# Allegro board C000PD020-3399PRO-DMEB-A-A01.brd (continued)
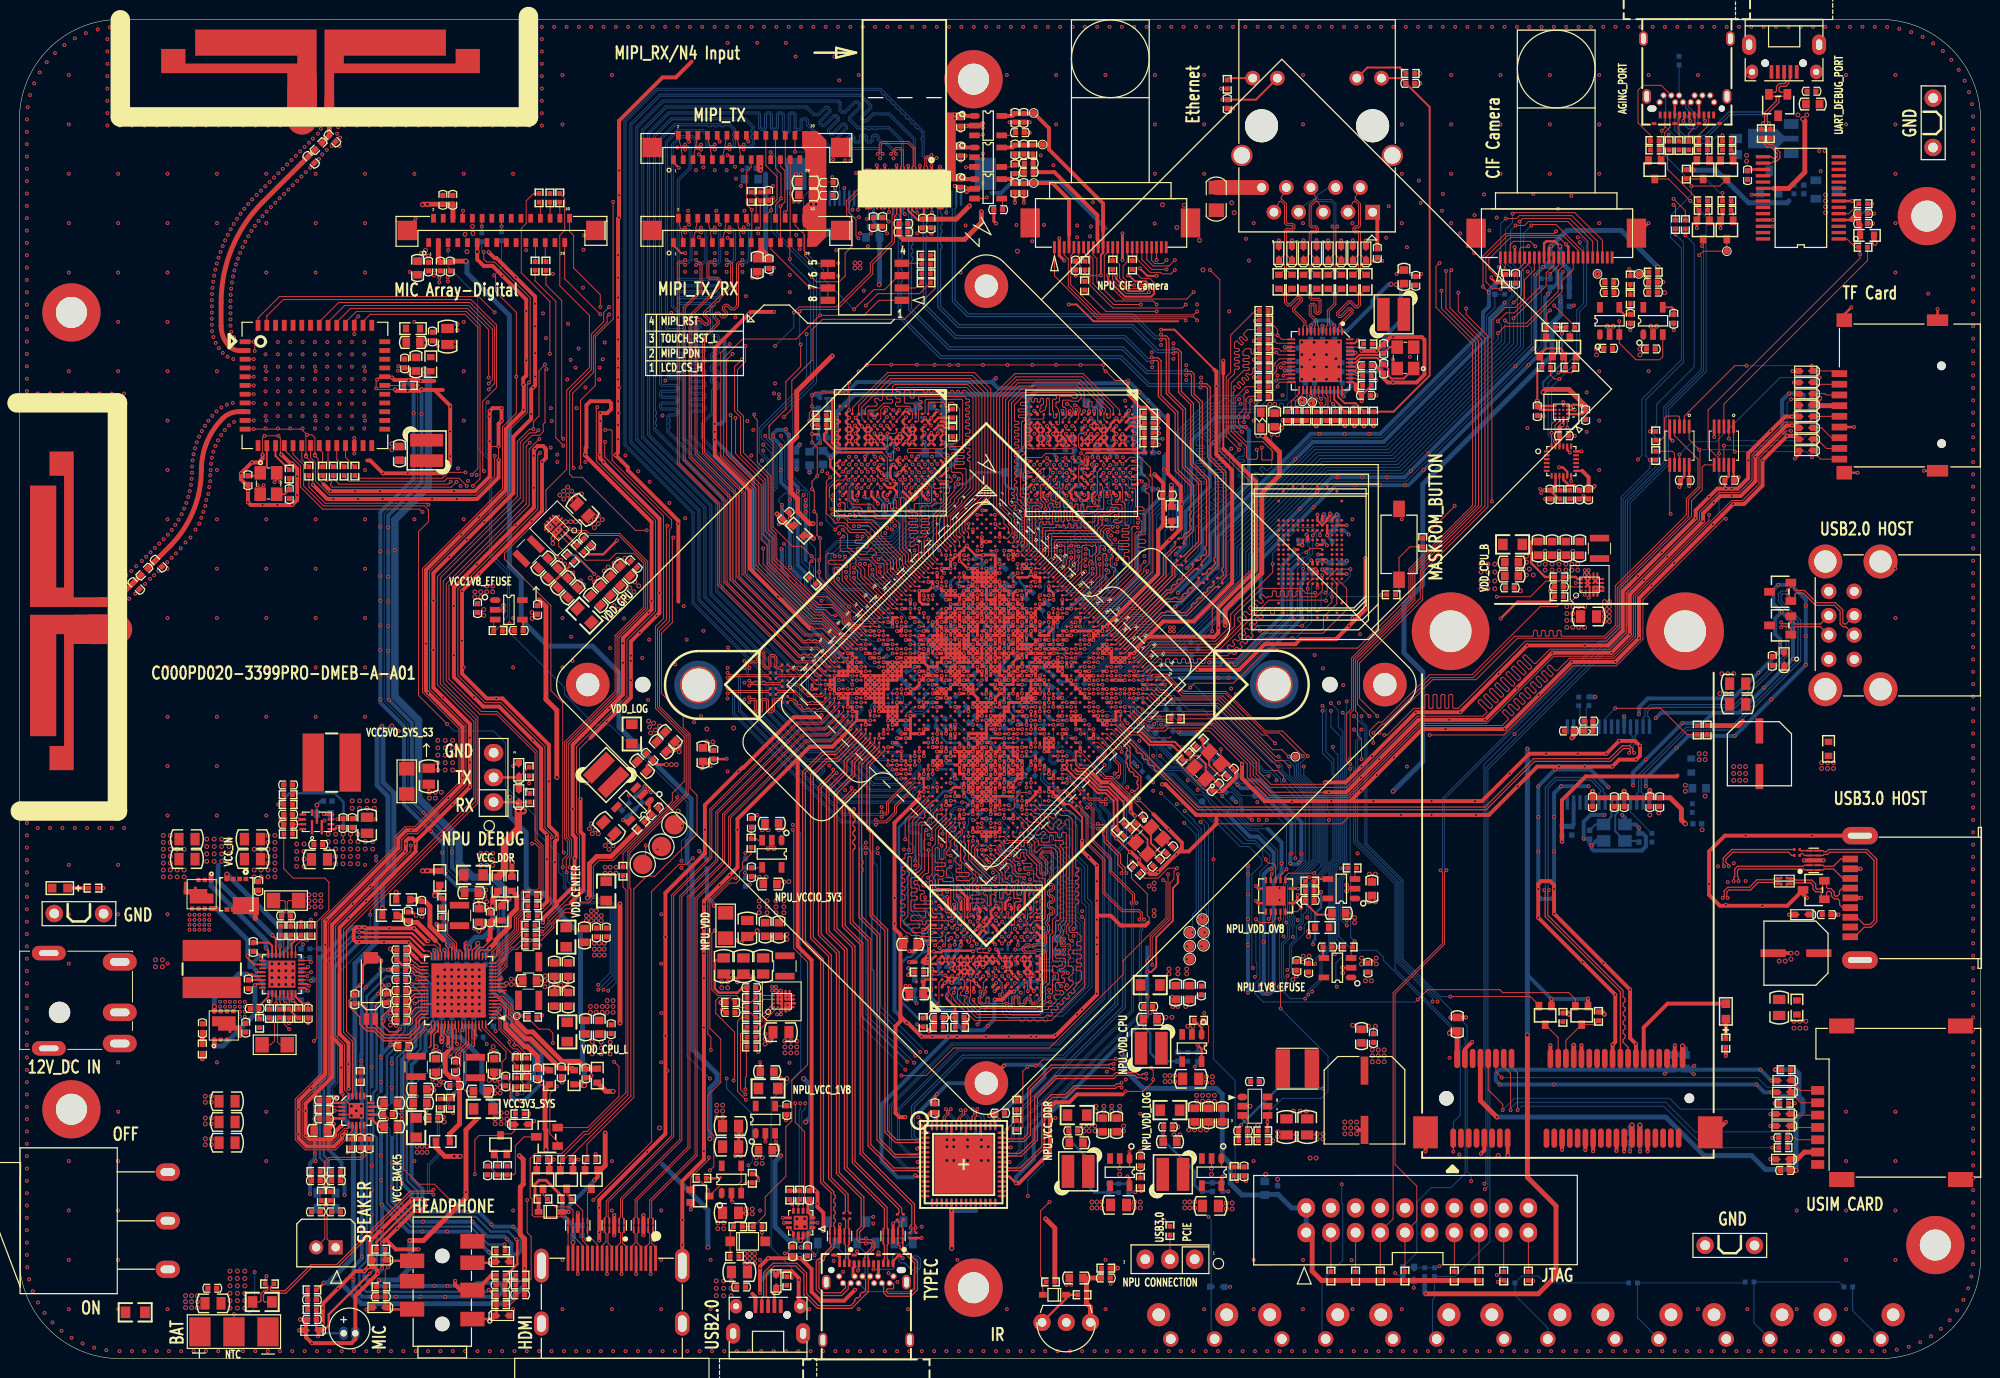
[diagram p0: board, top side]
## Routing (per net, layer and track width the routed paths; a pad name or vN(x,y) marks a point on that pad's centre or on a via; arc(x,y) is an arc through that point) (continued)
EDP_TX2N: length 66.6
  TOP w0.127: C1710.2 122.24,80.53 123.34,81.63 123.34,90.9 121.72,92.52 121.72,98.44 120.88,99.27 120.88,101.3 120.59,101.59 120.18,101.59 v1(120.07,101.7)
  BOTTOM w0.127: v1(120.07,101.7) 120,101.64 116.08,101.64 113.61,104.1 95.73,104.1 91.78,108.05 91.78,112.9 91.85,112.98 91.92,113.05 91.92,113.3 91.85,113.37 91.78,113.45 91.78,113.7 91.85,113.77 91.92,113.85 91.92,114.1 91.85,114.17 91.78,114.24 91.78,114.5 91.85,114.57 91.92,114.64 91.92,114.9 91.85,114.97 91.78,115.04 91.78,115.3 91.85,115.37 91.92,115.44 91.92,115.69 91.85,115.77 91.78,115.84 91.78,116.09 91.85,116.17 91.92,116.24 91.92,116.49 91.85,116.56 91.78,116.64 91.78,116.89 91.85,116.96 91.92,117.04 91.92,117.29 91.85,117.36 91.78,117.43 91.78,118.34 91.89,118.45 J5000.11
EDP_TX2P: length 66
  TOP w0.127: C1709.2 122.04,80.72 122.22,80.9 122.22,81.09 122.4,81.27 122.59,81.27 123.06,81.74 123.06,81.97 122.94,82.1 122.94,82.36 123.06,82.48 123.06,90.78 121.44,92.41 121.44,98.32 120.6,99.16 120.6,101.19 120.47,101.31 120.18,101.31 v1(120.07,101.2)
  BOTTOM w0.127: v1(120.07,101.2) 120.07,101.23 119.94,101.36 115.96,101.36 113.5,103.82 95.62,103.82 91.5,107.94 91.5,118.34 91.39,118.45 J5000.12
EDP_TX3N: length 69.3
  TOP w0.127: v1(121.59,100.44) 121.72,100.32 122.16,100.32 122.53,99.95 122.53,92.86 124.16,91.23 124.16,80.51 123.77,80.12 C1712.2
  BOTTOM w0.127: J5000.14 90.39,118.45 90.28,118.34 90.28,117.82 90.7,117.4 90.7,117 90.86,116.85 90.86,116.6 90.7,116.45 90.7,116.19 90.86,116.04 90.86,115.78 90.7,115.63 90.7,115.38 90.86,115.23 90.86,114.97 90.7,114.82 90.7,114.57 90.86,114.41 90.86,114.16 90.7,114.01 90.7,113.75 90.86,113.6 90.86,113.35 90.7,113.19 90.7,112.94 90.86,112.79 90.86,112.53 90.7,112.38 90.7,112.13 90.86,111.97 90.86,111.72 90.7,111.57 90.7,111.31 90.86,111.16 90.86,110.91 90.7,110.76 90.7,107.35 94.87,103.19 113.41,103.19 116.28,100.32 121.46,100.32 v1(121.59,100.44)
EDP_TX3P: length 68.1
  TOP w0.127: v1(121.54,99.93) 121.64,100.04 122.05,100.04 122.25,99.83 122.25,92.74 123.88,91.12 123.88,81.41 123.75,81.28 123.75,81.03 123.88,80.9 123.88,80.62 123.57,80.32 C1711.2
  BOTTOM w0.127: v1(121.54,99.93) 121.44,100.04 116.17,100.04 113.3,102.91 94.75,102.91 90.42,107.24 90.42,117.28 90,117.71 90,118.34 89.89,118.45 J5000.15
EDPAUXN: length 12.8
  TOP w0.127: U1000.B28 111.91,74.41 117.98,80.48 117.98,82.37 119.1,83.48 C5001.1
EDPAUXP: length 12.1
  TOP w0.127: C5000.1 118.91,83.69 117.7,82.48 117.7,80.59 111.98,74.87 U1000.A28
EDPTX0N: length 11.5
  TOP w0.127: C1706.1 119.1,81.66 118.9,81.45 118.9,80.48 112.37,73.95 U1000.B29
EDPTX0P: length 10.6
  TOP w0.127: C1705.1 119.11,82.06 118.62,81.57 118.62,80.59 112.43,74.41 U1000.A29
EDPTX1N: length 12.1
  TOP w0.127: U1000.B30 112.83,73.49 118.14,78.8 118.49,78.8 120.94,81.25 C1708.1
EDPTX1P: length 11.7
  TOP w0.127: C1707.1 120.74,81.44 120.02,80.73 119.83,80.73 119.65,80.55 119.65,80.36 119.47,80.18 119.28,80.18 119.1,80 119.1,79.81 118.92,79.63 118.74,79.63 118.56,79.45 118.56,79.26 118.38,79.08 118.03,79.08 112.9,73.95 U1000.A30
EDPTX2N: length 11.8
  TOP w0.127: C1710.1 121.55,79.83 119.61,77.89 118.14,77.89 113.28,73.03 U1000.B31
EDPTX2P: length 11.4
  TOP w0.127: C1709.1 121.35,80.02 120.62,79.29 120.43,79.29 120.25,79.11 120.25,78.92 120.07,78.74 119.88,78.74 119.7,78.56 119.7,78.37 119.49,78.17 119.19,78.17 119.07,78.29 118.81,78.29 118.69,78.17 118.02,78.17 113.34,73.49 U1000.A31
EDPTX3N: length 12.9
  TOP w0.127: U1000.B32 113.73,72.57 117.62,76.46 120.12,76.46 123.07,79.42 C1712.1
EDPTX3P: length 12.9
  TOP w0.127: C1711.1 122.87,79.61 122.63,79.37 122.44,79.37 122.26,79.19 122.26,79.01 122.08,78.83 121.89,78.83 121.71,78.65 121.71,78.46 121.53,78.28 121.34,78.28 121.16,78.1 121.16,77.91 120.99,77.73 120.8,77.73 120.62,77.55 120.62,77.36 120,76.74 119.48,76.74 119.3,76.92 119,76.92 118.82,76.74 118.57,76.74 118.39,76.92 118.03,76.92 117.86,76.74 117.51,76.74 113.79,73.03 U1000.A32
EFUSE_VQPS_EN_H: length 84.4
  TOP w0.102: U9600.3 48.8,75.9 R9600.1 48.97,74.92 49.5,75.45 50.22,75.45 v1(50.42,75.65)
  TOP w0.305: U1000.AM4 v1(86.16,71.65)
  S1 w0.102: v1(76.43,92.42) 69.22,92.42 62.71,98.92 54.99,98.92 54.69,98.61 48.39,98.61 v1(48.18,98.41)
  BOTTOM w0.102: v1(48.18,98.41) 47.98,98.21 47.98,93.18 48.59,92.57 48.59,82.76 50.42,80.94 v1(50.42,75.65) ; v1(86.16,71.65) 86.16,72.14 85.29,73.01 84.25,73.01 80.9,76.36 80.8,76.36 76.02,81.14 76.02,92.01 v1(76.43,92.42)
EMMC_CLKO: length 26.6
  TOP w0.102: v1(133.08,84.69) 133.08,84.76 133.53,85.2 U4100.W6
  BOTTOM w0.102: v1(133.08,84.69) 133.08,82.82 131.5,81.23 131.5,76.36 125.6,70.47 117.62,70.47 R4100.2
EMMC_CMD: length 27.6
  TOP w0.102: v1(128.96,81.75) 128.96,80.91 124.64,76.59 124.64,75.4 123.06,73.82 116.46,73.82 114.75,72.11 U1000.A34 ; U4100.W5 133.83,85.01 v1(133.83,84.72)
  BOTTOM w0.102: v1(133.83,84.72) 133.83,84.8 133.12,85.51 131.6,85.51 128.96,82.87 v1(128.96,81.75)
EMMC_D0: length 37.4
  TOP w0.102: R4102.1 v1(140.13,78.6) ; U4100.H3 135.07,78.41 v1(135.05,78.4) 135.05,77.86 134.42,77.23 133.82,77.23 133.72,77.13 133.72,76.95 133.61,76.85 133.41,76.85 133.31,76.95 133.31,77.13 133.21,77.23 133,77.23 132.9,77.13 132.9,76.95 132.8,76.85 132.6,76.85 132.5,76.95 132.5,77.13 132.4,77.23 132.19,77.23 132.09,77.13 132.09,76.95 131.99,76.85 131.79,76.85 131.68,76.95 131.68,77.13 131.58,77.23 131.38,77.23 131.28,77.13 131.28,76.95 131.18,76.85 130.97,76.85 130.87,76.95 130.87,77.13 130.77,77.23 129.25,77.23 129.15,77.13 129.15,76.69 129.04,76.59 128.84,76.59 128.74,76.69 128.74,77.13 128.64,77.23 128.23,77.23 127.76,76.75 127.76,76.61 127.98,76.39 127.98,76.25 127.83,76.1 127.69,76.1 127.47,76.32 127.33,76.32 127.17,76.16 127.17,76.02 127.32,75.86 127.32,75.72 127.18,75.57 127.03,75.57 126.88,75.73 126.73,75.73 126.59,75.58 126.59,75.44 126.74,75.29 126.74,75.14 126.6,75 126.46,75 126.3,75.15 126.16,75.15 126.02,75.01 126.02,74.86 126.17,74.71 126.17,74.57 126.03,74.42 125.88,74.42 125.73,74.58 125.58,74.58 125.44,74.43 125.44,74.29 125.59,74.14 125.59,73.99 125.45,73.85 125.31,73.85 125.15,74 125.01,74 124.87,73.86 124.87,73.71 125.02,73.56 125.02,73.42 124.88,73.27 124.73,73.27 124.58,73.43 124.43,73.43 124.29,73.28 124.29,73.14 124.44,72.99 124.44,72.84 124.3,72.7 124.16,72.7 124,72.85 123.86,72.85 123.64,72.63 117.02,72.63 115.58,71.19 U1000.A36
  BOTTOM w0.102: v1(135.05,78.4) 139.93,78.4 v1(140.13,78.6)
EMMC_D1: length 28.9
  TOP w0.102: U1000.B34 114.67,71.65 116.54,73.52 123.19,73.52 125.02,75.35 125.02,76.46 127.81,79.26 131.88,79.26 132.39,78.75 133.27,78.75 v1(133.32,78.8) ; U4100.H4 134.57,78.98 v1(134.39,78.8)
  BOTTOM w0.102: v1(133.32,78.8) 133.32,76.97 133.43,76.87 133.83,76.87 133.93,76.97 133.93,78.7 134.04,78.8 v1(134.39,78.8)
EMMC_D2: length 31.9
  TOP w0.102: U1000.A35 116.68,73.21 123.32,73.21 123.32,73.21 125.66,75.56 125.66,75.7 125.35,76.02 125.35,76.16 125.49,76.3 125.64,76.3 125.95,75.99 126.09,75.99 126.24,76.13 126.24,76.28 125.92,76.59 125.92,76.73 126.07,76.88 126.21,76.88 126.52,76.57 126.67,76.57 126.81,76.71 126.81,76.85 126.5,77.17 126.5,77.31 126.64,77.45 126.79,77.45 127.1,77.14 127.24,77.14 127.39,77.28 127.39,77.43 127.07,77.74 127.07,77.89 127.22,78.03 127.36,78.03 127.67,77.72 127.82,77.72 127.96,77.86 127.96,78 127.65,78.32 127.65,78.46 127.79,78.6 127.94,78.6 128.25,78.29 128.39,78.29 128.5,78.4 128.83,78.4 128.93,78.5 128.93,78.9 129.03,79 129.23,79 129.33,78.9 129.33,78.5 129.44,78.4 129.64,78.4 129.74,78.5 129.74,78.9 129.84,79 130.05,79 130.15,78.9 130.15,78.5 130.25,78.4 130.45,78.4 130.55,78.5 130.55,78.9 130.65,79 130.86,79 130.96,78.9 130.96,78.5 131.06,78.4 131.26,78.4 131.37,78.5 131.37,78.9 131.47,79 131.67,79 131.77,78.9 131.77,78.5 131.87,78.4 133.43,78.4 134.07,79.04 U4100.H5
EMMC_D3: length 31.4
  TOP w0.102: 116.04,70.73 U1000.A37 117.32,72.02 117.44,72.02 117.54,71.92 117.54,71.61 117.65,71.51 117.85,71.51 117.95,71.61 117.95,71.92 118.05,72.02 118.26,72.02 118.36,71.92 118.36,71.61 118.46,71.51 118.66,71.51 118.76,71.61 118.76,71.92 118.86,72.02 119.07,72.02 119.17,71.92 119.17,71.61 119.27,71.51 119.47,71.51 119.58,71.61 119.58,71.92 119.68,72.02 119.88,72.02 119.98,71.92 119.98,71.61 120.08,71.51 120.29,71.51 120.39,71.61 120.39,71.92 120.49,72.02 120.69,72.02 120.8,71.92 120.8,71.61 120.9,71.51 121.1,71.51 121.2,71.61 121.2,71.92 121.3,72.02 121.51,72.02 121.61,71.92 121.61,71.61 121.71,71.51 121.91,71.51 122.01,71.61 122.01,71.92 122.12,72.02 125.27,72.02 127.9,74.64 134.14,74.64 136.58,77.07 136.58,79.23 U4100.J2
EMMC_D4: length 28.9
  TOP w0.102: U1000.C35 v1(114.66,70.73) ; U4100.J3 135.56,79.75 135.56,77.68 134.19,76.31 134.19,75.19 133.93,74.94 127.69,74.94 v1(127.64,74.89)
  BOTTOM w0.102: v1(114.66,70.73) 115.01,71.08 115.44,71.08 116,71.64 121.59,71.64 122.61,72.65 125.27,72.65 126.82,74.2 126.82,75.25 127.03,75.45 127.43,75.45 127.56,75.32 127.56,74.97 v1(127.64,74.89)
EMMC_D5: length 29.9
  TOP w0.102: U1000.B35 115.15,71.19 116.87,72.91 123.44,72.91 128.58,78.04 134.39,78.04 v1(134.44,77.99) ; v1(136.96,81.24) 135.57,81.24 U4100.J4
  BOTTOM w0.102: v1(136.96,81.24) 136.96,80.53 136.25,79.82 135.91,79.82 134.44,78.35 v1(134.44,77.99)
EMMC_D6: length 26.4
  TOP w0.102: U1000.B37 116.06,70.27 117.04,71.26 123.58,71.26 123.68,71.36 123.68,71.54 123.78,71.64 123.99,71.64 124.09,71.54 124.09,71.36 124.19,71.26 124.39,71.26 124.49,71.36 124.49,71.54 124.59,71.64 124.8,71.64 124.9,71.54 124.9,71.36 125,71.26 125.17,71.26 128.04,74.13 v1(130.99,74.13) ; U4100.J5 v1(134.07,80.63)
  BOTTOM w0.102: v1(130.99,74.13) 131.32,74.13 132.97,75.78 132.97,79.53 v1(134.07,80.63)
EMMC_D7: length 27.2
  TOP w0.102: U4100.J6 133.03,80.24 132.56,79.78 v1(132.56,79.21) ; v1(132,75.42) 127.41,75.42 126.76,74.78 126.76,74.63 126.93,74.46 126.93,74.32 126.79,74.17 126.65,74.17 126.47,74.35 126.33,74.35 126.18,74.2 126.18,74.06 126.36,73.88 126.36,73.74 126.21,73.6 126.07,73.6 125.9,73.77 125.75,73.77 125.61,73.63 125.61,73.48 125.78,73.31 125.78,73.16 125.64,73.02 125.5,73.02 125.32,73.19 125.18,73.19 125.03,73.05 125.03,72.91 125.21,72.73 125.21,72.59 125.06,72.45 124.92,72.45 124.75,72.62 124.6,72.62 124.31,72.32 117.2,72.32 115.6,70.73 115.12,70.73
  BOTTOM w0.102: v1(132,75.42) 132.56,75.98 v1(132.56,79.21)
EMMC_STRB: length 28.8
  TOP w0.102: v1(132.41,82.97) 132.82,83.37 133.93,83.37 U4100.R5 ; U1000.D35 v1(114.2,70.27)
  BOTTOM w0.089: v1(114.2,70.27) 114.66,70.27 115.16,70.78 115.55,70.78 116.03,71.26 116.69,71.26
  BOTTOM w0.102: v1(132.41,82.97) 132.03,82.97 130.43,81.37 130.43,76.31 125.37,71.26 116.69,71.26
ENSWREG: length 1.6
  TOP w0.102: R6528.2 137.47,100.88 U6500.38
EXT_EN_H: length 44.4
  TOP w0.102: v1(30.3,32.68) 30.61,32.98 30.61,44.94 31.84,46.17 31.84,49.02 31.42,49.44 28.17,49.44 27.2,50.41 R2002.1 ; v1(44.37,31.07) 44.37,31.23 45.44,32.29 45.44,33.41 45.19,33.67 U?.60
  S1 w0.102: v1(44.37,31.07) 38.3,31.07 37.92,31.46 31.52,31.46 v1(30.3,32.68)
GPIO1_C3_RESERVE: length 2.6
  TOP w0.102: U1000.H33 v1(111.44,69.35)
  BOTTOM w0.089: v1(111.44,69.35) 110.98,69.35 110.66,69.68 110.39,69.68 110.15,69.44 R1126.2
GPU_SLEEP_H: length 178.7
  TOP w0.102: U1000.B38 116.51,69.81 116.87,70.17 118.03,70.17 119.76,68.44 124.08,68.44 128.14,64.37 129.67,64.37 v1(132.05,61.99) ; U2201.A1 56.63,85.29 56.93,84.99 58.25,84.99 58.55,84.69 61.68,84.69 64.44,81.93 64.44,77.26 61.49,74.31 61.49,68.54 56.31,63.36 56.31,53.6 56.62,53.3 56.62,51.78 56.26,51.42 56.26,50.1 v1(56.31,50.05)
  S1 w0.102: v1(60.07,37.96) 60.38,38.26 68.01,38.26 72.08,34.2 90.45,34.2 91.16,34.91 93.9,34.91 94.62,34.2 97.87,34.2 98.58,34.91 106.86,34.91 114.07,42.12 119.2,42.12 119.91,42.84 124.08,42.84 125.5,44.26 v1(131.8,44.26)
  BOTTOM w0.102: v1(60.07,37.96) 61.19,39.08 61.19,46.49 60.48,47.2 59.36,47.2 58.65,47.92 57.63,47.92 56.41,49.13 56.41,49.95 v1(56.31,50.05) ; v1(132.05,61.99) 131.6,61.53 131.6,60.02 134.14,57.48 134.14,50.35 132.41,48.63 132.41,45.98 132.11,45.68 132.11,44.87 131.8,44.56 v1(131.8,44.26)
GSENSOR_INT_L: length 131.4
  TOP w0.102: v1(74.35,102.83) 73.58,102.07 73.58,97.5 74.19,96.89 74.19,93.03 76.73,90.49 76.73,85.2 77.44,84.49 77.44,81.95 82.12,77.28 83.64,77.28 84.66,76.26 84.66,75.65 85.57,74.74 85.85,74.74 86.4,74.19 86.6,73.99 87.04,73.99 U1000.AJ2 ; U9000.12 v1(159.67,90.31)
  S1 w0.102: v1(74.35,102.83) 75.21,103.69 112.14,103.69 114.68,106.23 130.07,106.23 130.58,106.74 144.91,106.74 159.67,91.98 v1(159.67,90.31)
HD3SS215_AUX_SEL: length 13.8
  TOP w0.102: v1(101.63,23.63) 102.48,24.49 R9826.2 R9827.2
  TOP w0.254: U2102.1 93.23,23.6 v1(92.58,24.24)
  S1 w0.102: v1(101.63,23.63) 101.42,23.84 92.99,23.84 v1(92.58,24.24)
  BOTTOM w0.102: U9705.1 101.22,23.22 v1(101.63,23.63)
HD3SS215_DX_SEL: length 42.9
  TOP w0.102: U2102.56 93.43,23.9 v1(92.48,24.85) ; R9828.2 v1(117.8,14.21)
  S1 w0.102: v1(106.6,24.75) 106.2,24.34 102.79,24.34 102.49,24.65 101.13,24.65 101.03,24.55 v1(100.81,24.55) 100.41,24.14 93.19,24.14 v1(92.48,24.85) ; v1(117.8,14.21) 106.79,14.21 104.27,16.72 v1(103.76,16.72)
  BOTTOM w0.102: v1(100.81,24.55) 100.51,24.55 100.41,24.44 U9705.56 ; v1(103.76,16.72) 103.76,18.35 105.38,19.98 105.38,23.63 106.5,24.75 v1(106.6,24.75)
HDMI_CEC: length 102.3
  TOP w0.102: Q8202.2 58.2,20.28 R8205.2 58.4,22.06 63.22,26.88 63.22,48.32 64.54,49.64 65.39,49.64 69.72,53.98 69.72,57.97 69.01,58.68 69.01,64.26 68.3,64.97 68.3,66.2 66.07,68.44 66.07,74.64 67.18,75.75 67.18,84.39 v1(67.28,84.49)
  TOP w0.305: U1000.AD7 v1(91.22,73.95)
  S1 w0.089: v1(91.22,73.95) 91.09,73.82 90.45,73.82 90.25,73.62 90.25,73.43 89.98,73.16 89.98,73.15 89.74,72.91 89.72,72.91 89.51,72.71 88.98,72.71 87.31,74.38
  S1 w0.102: v1(67.28,84.49) 75.11,76.67 81.92,76.67 82.93,75.65 83.64,75.65 84.66,74.64 87.05,74.64 87.31,74.38
HDMI_HPD: length 48.2
  TOP w0.102: v1(67.69,57.77) 67.69,57.57 62.1,51.98 R1701.1
  TOP w0.305: U1000.AE15 v1(94.9,70.27)
  S1 w0.089: 87.91,62.38 87.91,62.75 90.9,65.73 90.9,65.84 94.09,69.03 94.11,69.03 94.9,69.81 v1(94.9,70.27)
  S1 w0.102: 87.91,62.38 87.91,56.65 87.2,55.94 79.07,55.94 78.51,55.38 70.08,55.38 v1(67.69,57.77)
HDMI_TX0N: length 67.3
  TOP w0.102: J8200.9 61.46,11.5 61.85,11.9 61.85,12.91 61.71,13.06 U8202.9 U8202.2 61.71,14.4 61.85,14.55 61.85,16.46 67.95,22.56 67.95,47.6 71.65,51.3 71.65,56.23 80.31,64.88 82.79,64.88 84.32,66.41 U1000.AY7
HDMI_TX0P: length 67.9
  TOP w0.102: J8200.7 62.46,11.49 62.06,11.89 62.06,12.92 62.21,13.07 U8202.10 U8202.1 62.21,14.39 62.06,14.53 62.06,16.37 68.16,22.47 68.16,47.52 71.86,51.22 71.86,56.14 80.39,64.68 82.88,64.68 84.78,66.59 U1000.AW7
HDMI_TX1N: length 66.4
  TOP w0.102: U1000.AY8 84.78,65.98 83.08,64.27 80.61,64.27 72.36,56.03 72.36,51.12 68.79,47.55 68.79,21.79 63.35,16.35 63.35,14.52 63.21,14.37 U8201.5 U8201.6 63.21,12.98 63.35,12.83 63.35,11.89 62.96,11.49 J8200.6
HDMI_TX1P: length 67
  TOP w0.102: U1000.AW8 85.24,66.15 83.16,64.07 80.7,64.07 72.57,55.94 72.57,51.04 68.99,47.47 68.99,21.7 63.56,16.26 63.56,14.56 63.71,14.41 U8201.4 U8201.7 63.71,12.97 63.56,12.82 63.56,11.92 63.96,11.52 J8200.4
HDMI_TX2N: length 65.5
  TOP w0.102: J8200.3 64.46,11.49 64.85,11.89 64.85,12.86 64.71,13 U8201.9 U8201.2 64.71,14.35 64.85,14.5 64.85,16.3 69.52,20.97 69.52,47.37 72.97,50.82 72.97,55.72 80.92,63.66 83.38,63.66 85.24,65.53 U1000.AY9
HDMI_TX2P: length 66.1
  TOP w0.102: J8200.1 65.46,11.49 65.06,11.89 65.06,12.87 65.21,13.02 U8201.10 U8201.1 65.21,14.33 65.06,14.48 65.06,16.22 69.73,20.89 69.73,47.28 73.18,50.73 73.18,55.64 81,63.46 83.46,63.46 85.7,65.7 U1000.AW9
HDMI_TXCN: length 68.2
  TOP w0.102: J8200.12 59.96,11.63 60.35,12.03 60.35,12.86 60.21,13.01 U8202.6 U8202.5 60.21,14.42 60.38,14.59 60.38,16.2 67.11,22.94 67.11,47.7 71.04,51.63 71.04,56.53 80,65.49 82.47,65.49 83.86,66.89 U1000.AY6
HDMI_TXCP: length 68.7
  TOP w0.102: J8200.10 60.96,11.49 60.56,11.89 60.56,12.84 60.71,12.99 U8202.7 U8202.4 60.71,14.46 60.58,14.59 60.58,16.12 67.32,22.85 67.32,47.62 71.25,51.55 71.25,56.45 80.09,65.29 82.55,65.29 84.01,66.75 84.32,67.06 U1000.AW6
HOST1_DM: length 62.9
  TOP w0.127: U1000.L40 112.89,64.76 114.91,62.74 114.91,62.47 115.09,62.29 115.35,62.29 115.53,62.11 115.53,61.85 115.71,61.67 115.98,61.67 116.16,61.49 116.16,61.22 116.34,61.04 116.6,61.04 116.78,60.86 116.78,60.6 116.96,60.42 117.23,60.42 121.17,56.47 150.93,56.47 155.91,61.45 163.72,61.45 165.04,62.77 165.61,62.77 165.74,62.65 165.74,62.41 v1(165.65,62.33)
  BOTTOM w0.127: U2800.25 165.78,64.23 165.96,64.05 165.96,63.37 165.76,63.17 165.76,62.44 v1(165.65,62.33)
HOST1_DP: length 63.3
  TOP w0.127: U1000.L39 112.82,65.22 121.29,56.75 150.81,56.75 155.79,61.73 163.6,61.73 164.92,63.05 165.72,63.05 166.01,62.76 166.01,62.45 166.14,62.33 v1(166.15,62.33)
  BOTTOM w0.127: v1(166.15,62.33) 166.04,62.44 166.04,63.05 166.24,63.25 166.24,64.07 166.43,64.25 U2800.26
HP_SNS: length 43.5
  TOP w0.152: U?.40 41.01,38.93 v1(40.92,39.03)
  TOP w0.254: v1(51.13,12.25) 51.23,12.15 51.23,9.71 50.1,8.58 R7006.1
  BOTTOM w0.254: v1(40.92,39.03) 41.99,37.96 41.99,35.62 40.26,33.89 40.26,32.37 38.84,30.95 38.84,16.42 40.67,14.59 46.96,14.59 48.49,13.07 50.32,13.07 v1(51.13,12.25)
HPL: length 35
  TOP w0.152: v1(40.36,39.79) 40.74,39.41 41.1,39.41 41.22,39.28 U?.39
  TOP w0.254: R7005.1 36.74,11.99 40.56,15.81 v1(40.97,15.81)
  BOTTOM w0.254: v1(40.36,39.79) 41.07,39.79 42.57,38.29 42.57,34.78 41.28,33.49 41.28,31.86 39.85,30.44 39.85,18.35 40.97,17.23 v1(40.97,15.81)
HPR: length 40.9
  TOP w0.152: v1(40.39,38.53) 40.41,38.53 40.46,38.58 41.68,38.58 U?.41
  TOP w0.254: R7004.1 49.97,11.68 v1(49.91,11.75)
  BOTTOM w0.254: v1(49.91,11.75) 48.23,11.75 46.4,13.57 40.26,13.57 37.82,16.01 37.82,23.43 37.11,24.14 37.11,26.48 37.82,27.19 37.82,31.15 38.74,32.07 38.74,32.78 39.65,33.69 39.65,34.3 41.38,36.03 41.38,37.45 40.39,38.44 v1(40.39,38.53)
HUB0_OVCUR1#: length 12.9
  TOP w0.102: R2807.2 R2808.1 171.57,64.23 168.88,66.91 v1(164.21,66.91)
  BOTTOM w0.102: U2800.21 163.17,65.88 v1(164.21,66.91)
HUB0_X1: length 6
  BOTTOM w0.203: U2800.6 164.48,56.21 164.21,55.94 164.21,54.26 Y2800.1 166.54,53.26 C2814.1
HUB0_X2: length 4.3
  BOTTOM w0.203: U2800.7 163.83,55.78 Y2800.3 162.17,54.96 C2815.1
HUB_HOST1_DM: length 28.6
  TOP w0.127: J2800.A2 185.32,75.31 182.73,75.31 182.6,75.18 182.6,74.82 ED2801.1 182.28,75.18 182.13,75.33 181.36,75.33 v1(181.28,75.25)
  BOTTOM w0.127: U2800.27 167.08,65.93 167.26,66.11 167.26,66.71 167.84,67.3 176.49,67.3 181.79,72.59 181.79,75.25 181.66,75.37 181.4,75.37 v1(181.28,75.25)
HUB_HOST1_DP: length 29
  TOP w0.127: J2800.A3 185.32,75.59 182.73,75.59 182.6,75.72 182.6,76.08 ED2801.2 182.28,75.74 182.15,75.61 181.41,75.61 181.28,75.74 v1(181.28,75.75)
  BOTTOM w0.127: v1(181.28,75.75) 181.38,75.65 181.78,75.65 182.07,75.36 182.07,72.48 176.61,67.02 167.96,67.02 167.54,66.6 167.54,66.11 167.73,65.93 U2800.28
HUB_HOST2_DM: length 42.9
  TOP w0.127: J2800.B2 187.94,75.31 187.64,75.31 187.35,75.6 187.35,76.91 186.75,77.51 184.82,77.51 183.56,78.76 182.83,78.76 182.7,78.64 182.7,78.38 ED2800.1 182.28,78.32 v1(181.99,78.61)
  BOTTOM w0.127: v1(181.99,78.61) 181.9,78.7 181.41,78.7 181.28,78.57 181.28,77.99 183.29,75.98 183.29,71.77 176.2,64.68 171.63,64.68 166.89,59.94 166.89,58.31 167.08,58.13 U2800.2
HUB_HOST2_DP: length 43.5
  TOP w0.127: J2800.B3 187.94,75.59 187.76,75.59 187.63,75.72 187.63,77.02 186.87,77.79 184.94,77.79 183.68,79.04 182.73,79.04 182.6,79.17 182.6,79.53 ED2800.2 182.28,79.39 v1(181.99,79.11)
  BOTTOM w0.127: v1(181.99,79.11) 181.86,78.98 181.29,78.98 181,78.69 181,77.87 183.01,75.87 183.01,71.88 176.08,64.96 171.51,64.96 166.61,60.06 166.61,58.31 166.43,58.13 U2800.3
HUB_HOST3_DM: length 39.6
  TOP w0.127: v1(156.89,48.21) 157,48.1 157,45.49 164.73,37.75 J8300.36
  BOTTOM w0.127: v1(156.89,48.21) 157.02,48.34 157.02,58.8 158.02,59.8 161.8,59.8 162.99,58.61 162.99,58.31 163.17,58.13 U2800.8
HUB_HOST3_DP: length 39.7
  TOP w0.127: v1(157.39,48.21) 157.28,48.1 157.28,45.6 165.01,37.87 165.01,37.23 165.23,37.02 165.23,36.76 165.01,36.55 165.01,36.3 165.23,36.08 165.23,35.83 165.01,35.61 165.01,35.36 165.23,35.15 165.23,34.89 165.01,34.68 165.01,34.43 165.23,34.21 165.23,33.96 165.01,33.75 165.01,33.49 165.23,33.28 165.23,33.02 165.01,32.81 165.01,32.56 165.53,32.04 J8300.38
  BOTTOM w0.127: U2800.9 162.52,58.13 162.71,58.31 162.71,58.49 161.68,59.52 158.14,59.52 157.3,58.68 157.3,48.29 v1(157.39,48.21)
HUB_RESET_L: length 3.5
  BOTTOM w0.406: U2800.13 159.93,54.95 C2803.1
  BOTTOM w0.508: C2803.1 R2802.2
I2C0_SCL_PMIC: length 276.8
  TOP w0.102: U2201.A3 55.76,84.63 58.24,82.15 60.68,82.15 61.39,82.87 63.22,82.87 64.24,81.85 64.24,77.34 61.29,74.4 61.29,68.64 56.11,63.46 56.11,53.5 56.41,53.2 56.41,51.88 55.91,51.37 v1(55.91,50.56) ; U?.1 48.69,35.08 49.1,35.08 49.35,34.83 49.35,33.84 50.42,32.78 v1(50.42,32.57) 50.42,32.27 50.83,31.86 51.21,31.86 51.69,31.38 51.69,28.49 R2120.2 ; U1000.K33 v1(110.52,68.43) ; U2003.13 v1(30,39.76) ; U2200.A3 v1(160.15,79.81)
  S1 w0.089: 117.78,68.54 115.47,68.54 114.8,69.22 111.77,69.22 110.98,68.43 v1(110.52,68.43)
  S1 w0.102: v1(136.58,45.07) 136.27,44.77 130.78,44.77 130.48,44.46 125.4,44.46 123.98,43.04 119.83,43.04 119.12,42.33 113.99,42.33 106.77,35.11 98.48,35.11 97.76,34.4 94.72,34.4 94.01,35.11 91.06,35.11 90.35,34.4 72.16,34.4 68.1,38.47 60.07,38.47 v1(59.56,37.96) 58.75,37.96 55.4,34.61 52.45,34.61 v1(50.42,32.57) 50.42,32.78 48.18,35.01 43.22,35.01 41.7,33.49 36.3,33.49 30.03,39.76 v1(30,39.76) ; v1(160.15,79.81) 160.15,79.6 158.44,77.89 151.09,77.89 149.46,79.51 144.92,79.51 137.19,71.77 137.19,68.24 v1(136.58,67.63) 135.15,66.2 121.08,66.2 118.75,68.54 117.78,68.54
  BOTTOM w0.102: v1(136.58,67.63) 136.58,51.06 136.78,50.86 136.78,49.85 136.17,49.24 136.17,45.48 v1(136.58,45.07) ; v1(55.91,50.56) 55.91,49.95 56.21,49.64 56.21,48.52 57.73,47 60.38,47 60.99,46.39 60.99,39.38 v1(59.56,37.96)
I2C0_SDA_PMIC: length 272.3
  TOP w0.102: U2003.12 v1(29.61,39.36) ; 56.05,85.58 56.65,85.58 57.02,85.2 58.34,85.2 58.65,84.9 61.76,84.9 64.64,82.02 64.64,77.18 61.7,74.23 61.7,68.44 56.52,63.26 56.52,53.71 56.82,53.4 56.82,51.67 56.62,51.47 v1(56.62,50.56) ; U?.2 49.06,35.43 49.56,34.94 49.56,33.95 50.93,32.58 v1(50.93,32.27) 51.23,32.27 52.2,31.31 R2119.2 ; U2200.B1 161.17,78.71 v1(161.06,78.6) ; U1000.J34 v1(111.44,68.43)
  S1 w0.089: 117.58,68.34 115.48,68.34 115.25,68.11 114.98,68.11 114.8,68.3 114.79,68.3 114.33,68.76 114.07,68.76 113.85,68.54 113.63,68.54 113.41,68.76 113.15,68.76 112.93,68.54 112.71,68.54 112.5,68.76 112.23,68.76 112.01,68.54 111.55,68.54 v1(111.44,68.43)
  S1 w0.102: 117.58,68.34 118.49,68.34 120.83,66 135.24,66 135.29,66.05 135.74,66.05 v1(136.16,66.47) 137.44,67.75 137.44,71.74 145.01,79.31 149.38,79.31 151,77.68 158.52,77.68 159.44,78.6 v1(161.06,78.6) ; v1(29.61,39.36) 30.12,39.36 36.19,33.28 41.78,33.28 43.31,34.81 47.17,34.81 49.87,32.11 50.77,32.11 v1(50.93,32.27) 53.06,34.4 55.5,34.4 58.65,37.55 60.27,37.55 v1(60.58,37.86) 60.88,37.55 68.44,37.55 71.99,34 90.53,34 90.58,34.05 92.74,34.05 93.19,34.5 94.01,34.5 94.51,34 98.78,34 99.49,34.71 106.94,34.71 114.16,41.92 123.49,41.92 125.62,44.05 130.68,44.05 130.89,43.85 131.95,43.85 132.66,44.56 v1(136.58,44.56)
  BOTTOM w0.102: v1(136.58,44.56) 135.97,45.17 135.97,49.34 136.58,49.95 136.58,50.76 136.37,50.96 136.37,66.25 v1(136.16,66.47) ; v1(56.62,50.56) 56.72,50.46 56.72,49.24 57.84,48.12 58.75,48.12 59.46,47.41 60.58,47.41 61.39,46.59 61.39,38.67 v1(60.58,37.86)
I2C1_SCL_1V8: length 307.1
  TOP w0.102: J4700.5 154.39,114.19 154.56,114.36 155.17,114.36 v1(155.27,114.46) ; J4600.20 89.86,117.73 89.79,117.66 89.79,114.97 87.55,112.74 87.55,111.72 84.05,108.21 80.24,108.21 v1(79.68,107.66) ; U9001.A3 158.47,96.48 158.01,96.02 v1(158.01,94.37) 158.01,94.35 158.07,94.29 U9000.23 ; U7500.19 34.27,32.65 33.35,33.57 33.35,44.18 46.76,57.59 46.76,65.57 43,69.33 43,80.45 51.23,88.68 51.23,94.37 52.5,95.64 v1(52.88,95.64) 52.88,96.4 53.47,96.99 53.47,101.66 54.08,102.27 v1(54.08,102.29) ; Q9404.2 159.99,102.95 R9427.2 159.99,101.65 159.79,101.46 v1(158.37,101.46) ; U1000.Y6 v1(93.06,76.71)
  S1 w0.089: v1(93.06,76.71) 92.99,76.77 90.69,76.77 89.88,77.58 88.62,77.58
  S1 w0.102: v1(160.55,114.87) 159.44,113.75 155.98,113.75 v1(155.27,114.46) ; v1(52.88,95.64) 53.11,95.87 53.54,95.87 54.19,95.21 62.46,95.21 74.7,82.97 82.32,82.97 82.93,82.36 82.93,80.73 84.05,79.61 84.66,79.61 85.47,78.8 87.4,78.8 88.62,77.58 ; v1(54.08,102.29) 54.16,102.37 73.18,102.37 73.79,102.98 73.99,102.98 75.01,104 77.55,104 v1(77.75,104.2) 77.95,104 112.09,104 114.53,106.44 129.99,106.44 130.5,106.94 145.16,106.94 157.73,94.37 v1(158.01,94.37)
  BOTTOM w0.102: v1(158.01,94.37) 157.3,95.08 157.3,100.39 v1(158.37,101.46) 160.25,103.34 160.25,107.88 160.96,108.6 160.96,114.26 160.55,114.67 v1(160.55,114.87) ; v1(79.68,107.66) 79.68,106.13 v1(77.75,104.2)
I2C1_SCL_3V3: length 116.4
  TOP w0.102: v1(157.91,108.37) 160.04,106.24 R9428.2 159.54,105.63 Q9404.3 ; J7500.30 56.61,116 57.02,115.58 57.02,112.23 59.77,109.48 v1(59.77,108.21)
  S1 w0.102: v1(59.77,108.21) 60.27,107.71 60.27,107.05 60.88,106.44 111.23,106.44 114.88,110.09 124.79,110.09 126.01,108.88 149.83,108.88 150.44,108.27 157.81,108.27 v1(157.91,108.37)